# Allegro board PCIE_FIBER_BOARD-1116.brd (continued)
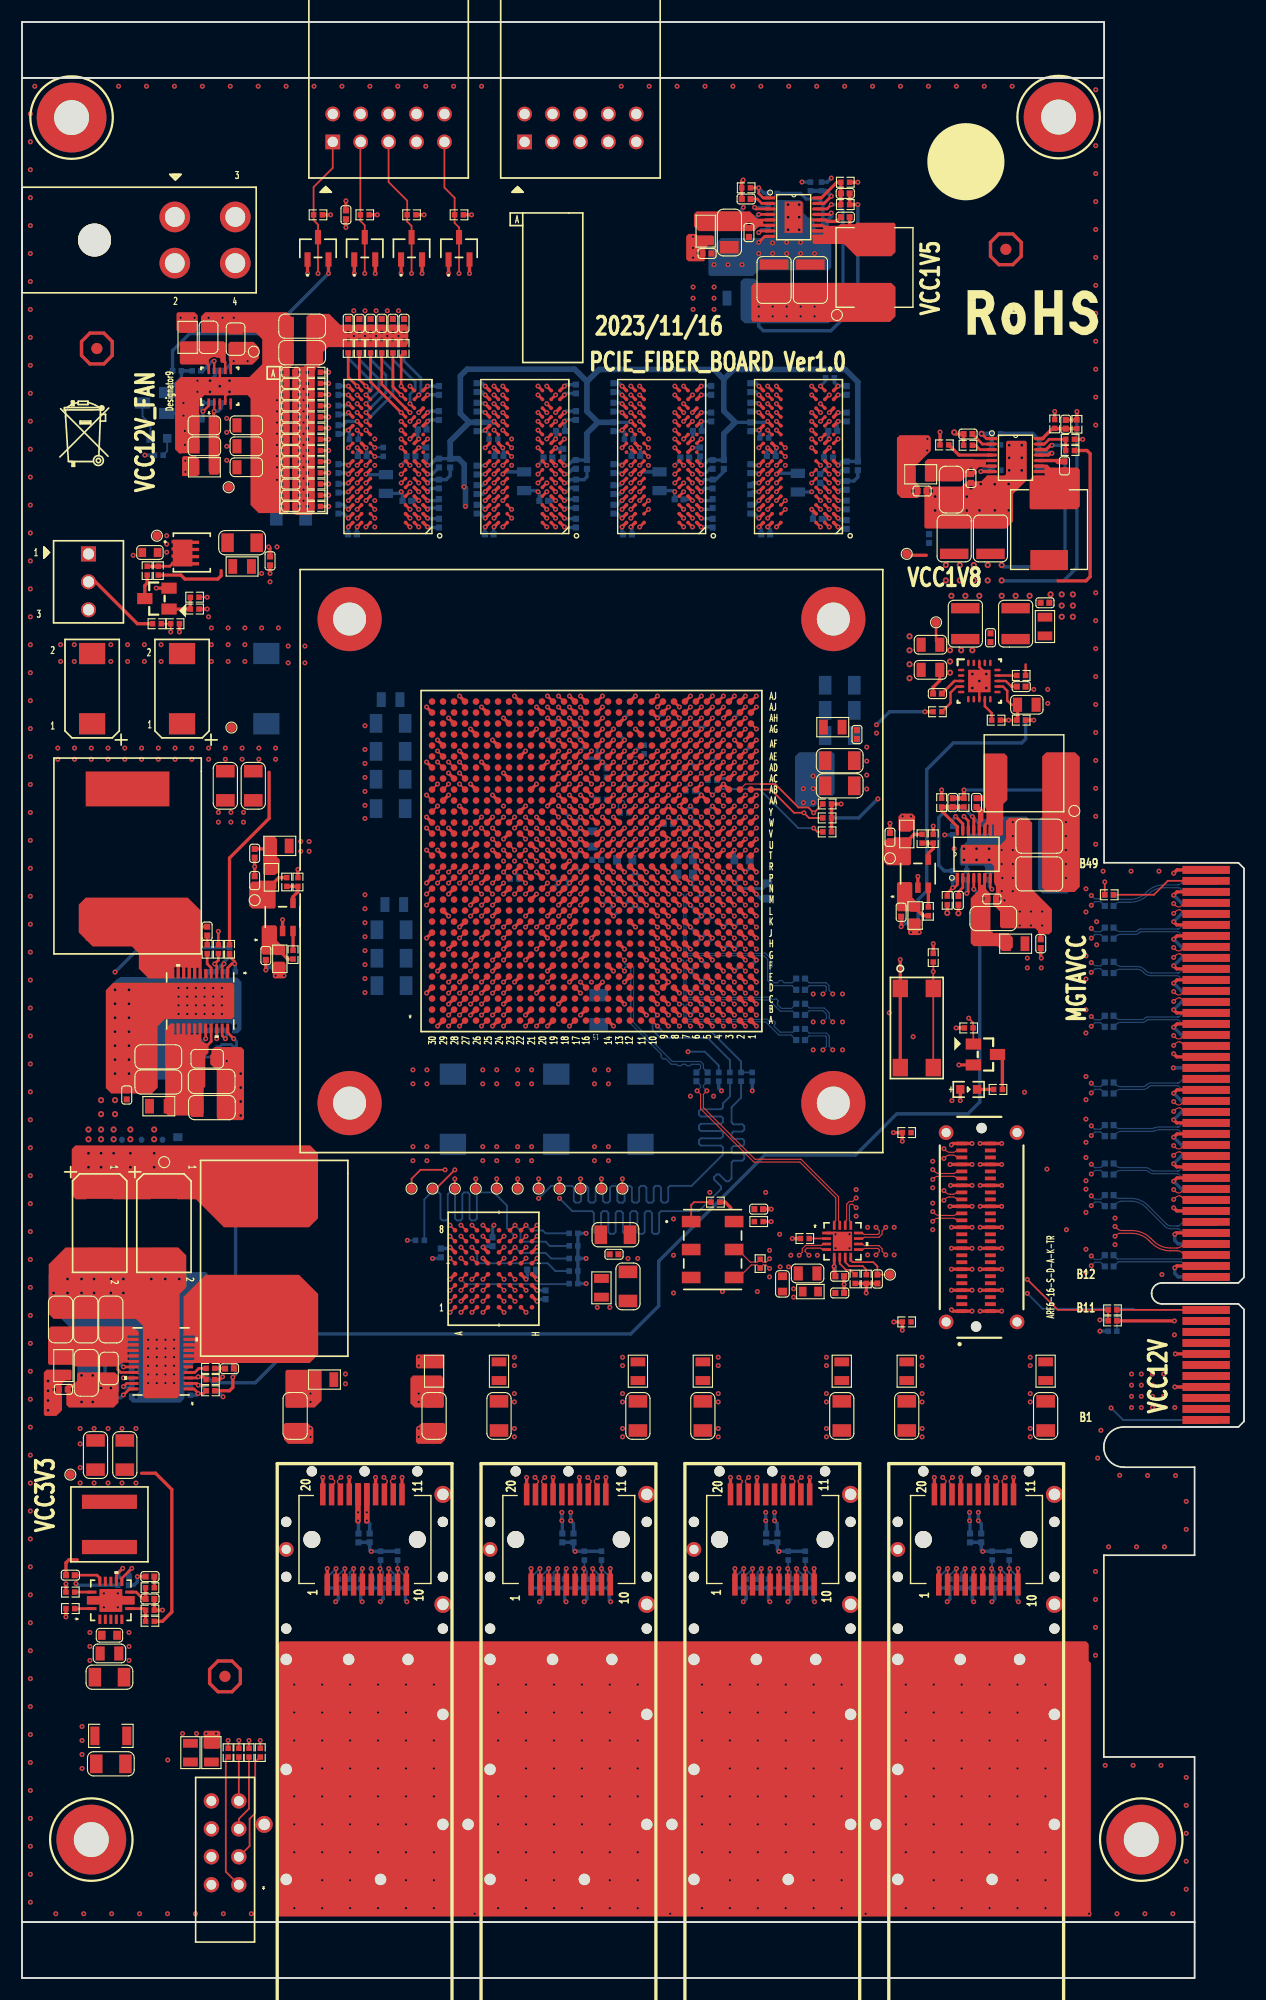
[diagram p0: board, top side]
## Routing (per net, layer and track width the routed paths; a pad name or vN(x,y) marks a point on that pad's centre or on a via; arc(x,y) is an arc through that point) (continued)
DDR3_A_BA1: length 112.2
  TOP w0.254: U75.N8 v1(55.38,142.3) ; U247.AC11 v1(56.8,109.53) ; U76.N8 v1(67.83,142.3) ; U78.N8 v1(42.93,142.3) ; R477.2 v1(27.89,143.93) ; U77.N8 v1(30.49,142.3)
  ART05 w0.102: v1(27.89,143.93) 29.12,142.7 30.09,142.7 v1(30.49,142.3)
  ART08 w0.102: v1(56.8,109.53) 56.8,109.84 57.26,110.3 57.26,110.58 57.81,111.13 60.07,111.13 60.33,111.39 60.33,116.98 60.38,117.03 ; 68.86,141.9 68.4,141.9 68,142.3 v1(67.83,142.3)
  ART08 w0.183: 60.38,117.03 60.38,117.38 60.56,117.56 61.64,117.56 61.82,117.74 61.82,118.11 61.64,118.29 59.9,118.29 59.72,118.48 59.72,118.86 59.9,119.05 61.59,119.05 61.78,119.23 61.78,119.59 61.59,119.78 59.9,119.78 59.72,119.96 59.72,120.33 59.9,120.51 61.59,120.51 61.78,120.69 61.78,121.05 61.59,121.24 59.9,121.24 59.72,121.42 59.72,121.79 59.9,121.97 61.59,121.97 61.78,122.16 61.78,122.52 61.59,122.7 59.9,122.7 59.72,122.89 59.72,123.25 59.9,123.44 61.59,123.44 61.78,123.62 61.78,123.98 61.59,124.16 59.91,124.16 59.73,124.35 59.73,124.71 59.91,124.89 61.59,124.89 61.78,125.08 61.78,125.44 61.59,125.63 60,125.63 59.82,125.81 59.82,126.25 60.1,126.53 62.7,126.53 63.49,127.32 66.05,127.32 70.9,132.17 70.9,140.88 69.88,141.9 68.86,141.9
  ART10 w0.102: v1(67.83,142.3) 67.43,141.9 U75.N8 v1(55.38,142.3) 54.98,141.9 U78.N8 v1(42.93,142.3) 42.53,141.9 U77.N8 v1(30.49,142.3)
DDR3_A_BA2: length 117.2
  TOP w0.254: U77.M3 v1(34.49,141.5) ; U247.AD9 v1(58.8,110.53) ; U75.M3 v1(59.38,141.5) ; R478.2 v1(27.89,142.91) ; U78.M3 v1(46.93,141.5) ; U76.M3 v1(71.83,141.5)
  ART05 w0.102: v1(27.89,142.91) 28.91,141.9 34.09,141.9 v1(34.49,141.5) 34.89,141.9 46.53,141.9 v1(46.93,141.5) 47.33,141.9 58.98,141.9 v1(59.38,141.5) 59.78,141.9 71.43,141.9 v1(71.83,141.5) 72.48,140.84 74.57,140.84 74.6,140.88 75.19,140.88 75.55,140.53
  ART05 w0.183: 75.55,140.53 76.83,139.24 76.83,131.07 74.36,128.59 71.13,128.59 70.59,128.05 66.66,128.05 65.81,127.21 65.81,124.73 65.57,124.49 64.75,124.49 64.57,124.31 64.57,123.94 64.75,123.76 65.63,123.76 65.81,123.57 65.81,123.21 65.63,123.03 63.79,123.03 63.61,122.84 63.61,122.48 63.79,122.29 65.63,122.29 65.81,122.11 65.81,121.75 65.63,121.56 61.96,121.56 61.78,121.38 61.78,121.01 61.96,120.83 64.54,120.83 64.72,120.65 64.72,120.28 64.54,120.1 61.83,120.1 61.65,119.92 61.65,119.55 61.83,119.37 63.37,119.37 63.55,119.19 63.55,118.82 63.37,118.64 61.83,118.64 61.65,118.45 61.65,117.44 61.24,117.03 59.59,117.03 59.28,116.72 59.28,115.21 59.46,115.03 61.14,115.03 61.32,114.85 61.32,114.24 61.14,114.06 59.59,114.06 59.34,113.81 59.34,111.07 v1(58.8,110.53)
DDR3_A_CAS_B: length 119.2
  TOP w0.254: U76.K3 v1(71.83,139.9) ; R481.2 v1(27.89,136.82) ; U77.K3 v1(34.49,139.9) ; U78.K3 v1(46.93,139.9) ; U247.AG9 v1(57.8,113.53) ; U75.K3 v1(59.38,139.9)
  ART05 w0.102: v1(57.8,113.53) 58.2,113.93 58.2,115.81 57.94,116.07 57.43,116.07 57.28,116.22 57.28,116.3 56.75,116.83 ; v1(27.89,136.82) 28.66,137.58 28.66,139.36 29.59,140.3 34.09,140.3 v1(34.49,139.9) 34.89,140.3 46.53,140.3 v1(46.93,139.9) 47.33,140.3 58.98,140.3 v1(59.38,139.9) 59.78,140.3 71.43,140.3 v1(71.83,139.9) U76.K3 73.63,139.5 73.96,139.17
  ART05 w0.183: 56.75,116.83 53.73,119.86 53.73,122.67 53.91,122.86 54.94,122.86 55.12,123.04 55.12,123.41 54.94,123.59 53.91,123.59 53.73,123.77 53.73,124.14 53.91,124.32 55.82,124.32 56.01,124.5 56.01,124.87 55.82,125.05 53.91,125.05 53.73,125.24 53.73,125.6 53.91,125.78 56.58,125.78 56.76,125.97 56.76,126.33 56.58,126.52 53.91,126.52 53.73,126.7 53.73,127.06 53.91,127.25 56.58,127.25 56.76,127.43 56.76,127.8 56.58,127.98 53.91,127.98 53.73,128.16 53.73,128.52 53.92,128.72 56.01,128.72 56.34,129.05 56.34,129.4 56.95,130.01 69.78,130.01 70.4,130.62 73.6,130.62 74.88,131.9 74.88,138.24 73.96,139.17
DDR3_A_CKE: length 111.5
  TOP w0.254: R483.2 v1(27.89,137.83) ; U75.K9 v1(54.58,139.1) ; U77.K9 v1(29.69,139.1) ; U247.AE10 v1(57.8,111.53) ; U78.K9 v1(42.13,139.1) ; U76.K9 v1(67.03,139.1)
  ART08 w0.102: v1(67.03,139.1) 66.63,139.5 U75.K9 v1(54.58,139.1) 54.18,139.5 U78.K9 v1(42.13,139.1) 41.73,139.5 U77.K9 v1(29.69,139.1)
  ART08 w0.183: v1(67.03,139.1) 66.57,138.64 66.57,131.85 65.72,131.01 53.66,131.01 53.29,130.64 53.29,129.6 53.48,129.41 56.36,129.41 56.55,129.23 56.55,128.87 56.36,128.68 53.5,128.68 53.32,128.5 53.32,128.13 53.5,127.95 56.36,127.95 56.55,127.77 56.55,127.4 56.36,127.22 53.45,127.22 53.27,127.04 53.27,126.67 53.45,126.49 56.36,126.49 56.55,126.31 56.55,125.94 56.36,125.76 53.5,125.76 53.32,125.57 53.32,125.21 53.5,125.03 55.72,125.03 55.9,124.84 55.9,124.48 55.72,124.29 54.55,124.29 54.36,124.11 54.36,120.59 54.55,120.41 56.36,120.41 56.55,120.23 56.55,119.86 56.36,119.68 55.25,119.68 55.07,119.49 55.07,119.09 55.33,118.83 56.27,118.83 56.55,118.55 56.55,112.78 v1(57.8,111.53) ; v1(27.89,137.83) 28.42,137.83 v1(29.69,139.1)
DDR3_A_CLK0_N: length 110.2
  TOP w0.188: v1(56.98,139.1) 56.98,139.1 U75.K7 ; v1(44.53,139.1) 44.13,139.49 U78.K7 ; v1(69.43,139.1) 69.42,139.1 69.03,139.5 U76.K7 ; U77.K7 v1(32.09,139.1) ; U247.AD11 v1(56.8,110.53)
  ART05 w0.102: v1(56.8,110.53) 56.5,110.53 56.4,110.63 56.4,112.36 54.4,114.36 54.4,116.96 54.45,117 54.45,117.03
  ART05 w0.157: v1(32.09,139.1) 32.31,138.88 33.03,138.88 33.22,138.88 33.5,138.6 43.84,138.6 44.06,138.81 44.24,138.81 v1(44.53,139.1) 44.75,138.88 44.81,138.88 45.63,138.88 46.2,138.88 46.53,138.55 56.24,138.55 56.47,138.78 56.66,138.78 v1(56.98,139.1) 57.17,138.9 57.29,138.9 57.78,138.9 58.21,138.47 68.61,138.47 68.97,138.84 69.17,138.84 v1(69.43,139.1) 69.68,138.85 70,138.85 70.12,138.85 70.54,138.43 70.54,132.66 69.04,131.17 50.95,131.17 50.24,130.45 50.24,129.74 49.91,129.41 47.06,129.41 46.91,129.25 46.91,128.71 47.07,128.55 49.91,128.55 50.24,128.22 50.24,127.43 49.91,127.1 46.93,127.1 46.77,126.94 46.77,126.4 46.93,126.24 49.88,126.24 50.21,125.91 50.21,125.13 49.88,124.8 48.03,124.8 47.87,124.64 47.87,124.05 48.03,123.89 49.92,123.89 50.25,123.56 50.25,123.13 52.47,120.91 52.47,119.38 54.45,117.4 54.45,117.03
  BOTTOM w0.188: R488.2 32.11,139.12 v1(32.09,139.1)
DDR3_A_CLK0_P: length 110.2
  TOP w0.188: U247.AD12 v1(55.8,110.53) ; U78.J7 v1(44.53,138.3) ; U77.J7 v1(32.09,138.3) ; U76.J7 v1(69.43,138.3) ; U75.J7 v1(56.98,138.3)
  ART05 w0.102: v1(55.8,110.53) 56.1,110.53 56.2,110.63 56.2,112.28 54.2,114.28 54.2,116.96 54.15,117 54.15,117.03
  ART05 w0.157: v1(32.09,138.3) 32.37,138.58 33.03,138.58 33.1,138.58 33.38,138.3 43.97,138.3 44.14,138.47 44.36,138.47 v1(44.53,138.3) 44.81,138.58 45.63,138.58 46.08,138.58 46.41,138.25 56.36,138.25 56.59,138.48 56.8,138.48 v1(56.98,138.3) 57.29,138.61 57.66,138.61 58.09,138.18 68.73,138.18 69.04,138.48 69.24,138.48 v1(69.43,138.3) 69.68,138.55 ; 69.68,138.55 69.68,138.55 69.68,138.55 ; 69.68,138.55 70,138.55 70.24,138.31 70.24,137.29 70.08,137.13 70.08,136.66 70.24,136.5 70.24,136.03 70.08,135.87 70.08,135.4 70.24,135.24 70.24,132.79 68.91,131.46 66.13,131.46 65.97,131.62 65.5,131.62 65.34,131.46 64.87,131.46 64.71,131.62 64.24,131.62 64.08,131.46 50.83,131.46 49.94,130.58 49.94,129.87 49.79,129.71 46.94,129.71 46.61,129.38 46.61,128.59 46.94,128.25 49.79,128.25 49.94,128.09 49.94,127.56 49.79,127.4 46.8,127.4 46.47,127.07 46.47,126.27 46.8,125.94 49.75,125.94 49.91,125.78 49.91,125.25 49.75,125.09 47.9,125.09 47.57,124.76 47.57,123.93 47.9,123.6 49.8,123.6 49.95,123.44 49.95,123.01 52.17,120.79 52.17,119.25 54,117.42 54.15,117.27 54.15,117.03
  BOTTOM w0.188: v1(32.09,138.3) 32.12,138.26 32.79,138.26 R488.1
DDR3_A_D0: length 31.6
  TOP w0.254: U75.E3 v1(60.18,135.9) ; U247.AK6 v1(61.8,116.53)
  ART10 w0.102: v1(60.18,135.9) 60.58,135.5 60.58,134.86 60.75,134.7 62.02,134.7 62.11,134.61
  ART10 w0.183: 62.11,134.61 62.22,134.49 62.22,130.96 62.4,130.77 62.77,130.77 62.95,130.96 62.95,133.79 63.16,134 63.5,134 63.68,133.82 63.68,129.47 65.06,128.1 65.06,123.98 64.29,123.2 64.29,121.78 63.81,121.3 63.81,118.93 62.16,117.28 62.16,117.27 61.8,116.91 v1(61.8,116.53)
DDR3_A_D1: length 31.4
  TOP w0.254: U75.F7 v1(56.18,135.9) ; U247.AG7 v1(60.8,113.53)
  ART10 w0.102: v1(60.8,113.53) 60.4,113.93 60.4,116.69 60.67,116.97 60.67,117.87 61.15,118.35 61.15,118.79 61.19,118.84 61.19,118.86
  ART10 w0.183: v1(56.18,135.9) 56.67,135.9 56.9,136.13 56.9,136.69 57.65,137.44 57.95,137.44 58.19,137.2 58.19,136.94 57.64,136.39 57.64,135.07 58.7,134 58.7,131.39 60.54,129.56 61.26,129.56 62.13,128.69 62.13,119.8 61.19,118.86
DDR3_A_D2: length 31.4
  TOP w0.254: U247.AJ6 v1(61.8,115.53) ; U75.F2 v1(60.98,135.9)
  ART10 w0.102: 62.03,135.5 61.38,135.5 v1(60.98,135.9)
  ART10 w0.183: v1(61.8,115.53) 62.34,116.07 62.34,116.76 64.18,118.61 65.33,118.61 65.54,118.81 65.54,119.12 65.33,119.33 64.48,119.33 64.3,119.52 64.3,119.88 64.48,120.06 65.37,120.06 65.55,120.25 65.55,120.61 65.37,120.8 64.73,120.8 64.54,120.98 64.54,121.34 64.73,121.53 65.37,121.53 65.55,121.71 65.55,122.08 65.37,122.26 64.96,122.26 64.78,122.44 64.78,122.81 64.96,122.99 65.37,122.99 65.55,123.17 65.55,128.3 64.17,129.68 64.17,134.3 62.97,135.5 62.03,135.5
DDR3_A_D3: length 31.4
  TOP w0.254: U75.F8 v1(55.38,135.9) ; U247.AK8 v1(59.8,115.53)
  ART10 w0.102: 55.82,134.04 55.78,134.08 55.78,135.5 v1(55.38,135.9) ; 60.22,119.11 60.22,118.65 59.86,118.29 59.86,115.59 v1(59.8,115.53)
  ART10 w0.183: 55.82,134.04 55.82,132.89 56.31,132.41 56.59,132.41 57.18,133 57.44,133 57.7,132.74 57.7,132.48 57.11,131.89 57.11,131.61 59.14,129.58 59.14,128.01 60.22,126.93 60.22,125.69 60.4,125.51 60.88,125.51 61.07,125.32 61.07,124.96 60.88,124.77 60.4,124.77 60.22,124.59 60.22,124.23 60.4,124.04 60.97,124.04 61.16,123.86 61.16,123.49 60.97,123.31 60.4,123.31 60.22,123.13 60.22,122.76 60.4,122.58 60.97,122.58 61.16,122.4 61.16,122.03 60.97,121.85 60.4,121.85 60.22,121.67 60.22,121.3 60.4,121.12 60.97,121.12 61.16,120.93 61.16,120.57 60.97,120.39 60.4,120.39 60.22,120.2 60.22,119.11
DDR3_A_D4: length 31.2
  TOP w0.254: U75.H3 v1(60.18,137.5) ; U247.AK4 v1(63.8,116.53)
  ART10 w0.183: v1(63.8,116.53) 63.8,116.85 64.58,117.63 65.73,117.63 66.53,118.43 66.53,128.7 65.15,130.08 65.15,137.4 64.31,138.25 64.31,138.72 64.12,138.9 63.76,138.9 63.58,138.72 63.58,138.25 63.39,138.06 60.74,138.06 v1(60.18,137.5)
DDR3_A_D5: length 31.5
  TOP w0.254: U75.H8 v1(55.38,137.5) ; U247.AJ8 v1(59.8,114.53)
  ART10 w0.102: v1(59.8,114.53) 59.4,114.93 59.4,116.71 59.45,116.76 59.45,118.49 59.73,118.77 59.73,119.24 ; 54.98,131.71 54.98,137.23 55.25,137.5 v1(55.38,137.5)
  ART10 w0.183: 59.73,119.24 59.73,126.73 58.13,128.33 58.13,128.59 58.65,129.11 58.65,129.37 58.39,129.63 58.13,129.63 57.61,129.11 57.35,129.11 57.09,129.37 57.09,129.62 57.62,130.15 57.62,130.41 57.36,130.67 57.1,130.67 56.57,130.14 56.32,130.14 56.06,130.4 56.06,130.66 56.35,130.95 56.35,131.21 56.09,131.47 55.83,131.47 55.54,131.18 55.28,131.18 54.98,131.48 54.98,131.71
DDR3_A_D6: length 31.5
  TOP w0.254: U75.G2 v1(60.98,136.7) ; U247.AK5 v1(62.8,116.53)
  ART10 w0.102: 62.03,136.3 61.38,136.3 v1(60.98,136.7)
  ART10 w0.183: v1(62.8,116.53) 62.8,116.54 64.38,118.12 65.53,118.12 66.04,118.63 66.04,128.5 64.66,129.88 64.66,136.97 64.48,137.15 64.11,137.15 63.93,136.97 63.93,136.19 63.75,136.01 63.38,136.01 63.17,136.21 63.17,137.35 62.99,137.53 62.62,137.53 62.44,137.35 62.44,136.47 62.27,136.3 62.03,136.3
DDR3_A_D7: length 31.5
  TOP w0.254: U75.H7 v1(56.18,137.5) ; U247.AF8 v1(59.8,112.53)
  ART10 w0.102: v1(59.8,112.53) 59.2,113.13 59.2,115.75 58.99,115.96 58.99,116.86 59.05,116.92 59.05,118.82 59.24,119.02 59.24,119.44
  ART10 w0.183: 59.24,119.44 59.24,126.4 54.14,131.5 54.14,137.79 54.44,138.09 55.6,138.09 v1(56.18,137.5)
DDR3_A_D8: length 27.8
  TOP w0.254: U75.D7 v1(56.18,134.3) ; U247.AJ3 v1(63.8,114.53)
  ART03 w0.102: 55.78,131.56 55.78,133.9 v1(56.18,134.3) ; v1(63.8,114.53) 63.33,115 63.33,115.91 63.2,116.04 63.2,116.71 62.91,117
  ART03 w0.183: 62.91,117 61.13,118.78 60.88,118.78 60.58,118.48 60.32,118.48 60.06,118.74 60.06,119 60.36,119.29 60.36,119.55 60.06,119.85 60.06,126.2 57.61,128.64 57.61,128.9 57.78,129.07 57.78,129.33 57.52,129.59 57.27,129.59 57.1,129.42 56.84,129.42 56.58,129.68 56.58,129.94 56.89,130.24 56.89,130.5 56.63,130.76 56.37,130.76 56.06,130.46 55.8,130.46 55.53,130.73 55.53,131.03 55.78,131.28 55.78,131.56
DDR3_A_D9: length 27.8
  TOP w0.254: U247.AH2 v1(65.8,114.53) ; U75.C3 v1(60.18,133.5)
  ART03 w0.102: 65.71,117.18 65.37,116.84 65.37,114.96 v1(65.8,114.53)
  ART03 w0.183: v1(60.18,133.5) 59.71,133.03 59.44,133.03 58.91,133.56 58.65,133.56 58.41,133.33 58.41,132.98 61.33,130.06 61.59,130.06 61.92,130.39 62.18,130.39 62.44,130.14 62.44,129.88 62.11,129.54 62.11,129.28 62.87,128.52 62.87,124.64 63.06,124.45 63.35,124.45 63.56,124.24 63.56,123.93 63.35,123.72 63.06,123.72 62.87,123.54 62.87,123.1 65.71,120.27 65.71,117.18
DDR3_A_D10: length 27.8
  TOP w0.254: U247.AH6 v1(61.8,114.53) ; U75.C8 v1(55.38,133.5)
  ART03 w0.102: 60.43,116.04 61.09,116.04 61.35,115.79 61.35,114.98 v1(61.8,114.53) ; 54.23,133.1 54.98,133.1 v1(55.38,133.5)
  ART03 w0.183: 60.43,116.04 59.42,116.04 59.08,116.37 59.08,125.79 53.14,131.74 53.14,133.56 53.38,133.8 53.7,133.8 53.9,133.59 53.9,133.28 54.08,133.1 54.23,133.1
DDR3_A_D11: length 27.8
  TOP w0.254: U75.C2 v1(60.98,133.5) ; U247.AJ1 v1(66.8,115.53)
  ART03 w0.102: v1(60.98,133.5) 61.38,133.1 62.09,133.1 ; 67.29,117.03 67.29,116.32 66.8,115.83 v1(66.8,115.53)
  ART03 w0.183: 62.09,133.1 62.41,133.1 62.59,133.28 62.59,134.38 62.78,134.56 64.21,134.56 64.39,134.38 64.39,134.01 64.21,133.83 63.51,133.83 63.33,133.64 63.33,133.28 63.51,133.1 63.7,133.1 65.12,131.68 65.12,129.52 65.59,129.06 65.59,124.96 67.29,123.26 67.29,117.03
DDR3_A_D12: length 27.9
  TOP w0.254: U75.A7 v1(56.18,131.9) ; U247.AJ4 v1(63.8,115.53)
  ART03 w0.102: 63.4,117.03 63.4,116.35 63.8,115.95 v1(63.8,115.53)
  ART03 w0.183: 63.4,117.03 63.4,117.32 62.84,117.88 62.84,118.15 63.43,118.74 63.43,119.14 63.16,119.41 62.9,119.41 62.17,118.68 61.92,118.68 61.66,118.94 61.66,119.2 62.51,120.05 62.51,120.31 62.25,120.57 61.99,120.57 61.14,119.72 60.88,119.72 60.62,119.98 60.62,120.24 61.32,120.93 61.32,121.52 60.55,122.29 60.55,126.4 59.5,127.45 59.5,127.73 59.76,127.99 59.76,128.32 59.5,128.58 59.25,128.58 58.94,128.27 58.68,128.27 58.42,128.53 58.42,128.79 58.73,129.09 58.73,129.35 58.36,129.72 58.09,129.72 57.7,130.1 57.7,130.38 v1(56.18,131.9)
DDR3_A_D13: length 27.8
  TOP w0.254: U247.AK1 v1(66.8,116.53) ; U75.A2 v1(60.98,131.9)
  ART03 w0.102: v1(66.8,116.53) 66.8,117.03 ; v1(60.98,131.9) 60.98,132.01 61.27,132.3 62,132.3
  ART03 w0.183: 66.8,117.03 66.8,121.91 66.62,122.1 65.28,122.1 65.1,122.28 65.1,122.65 65.28,122.83 66.29,122.83 66.48,123.01 66.48,123.38 66.29,123.56 65.28,123.56 65.1,123.74 65.1,128.86 63.87,130.09 63.87,130.35 64.63,131.11 64.63,131.37 64.37,131.63 64.12,131.63 63.35,130.86 63.09,130.86 62.84,131.12 62.84,131.38 63.55,132.1 63.55,132.35 63.29,132.61 63.03,132.61 62.49,132.07 62.23,132.07 62,132.3
DDR3_A_D14: length 27.8
  TOP w0.254: U247.AH5 v1(62.8,114.53) ; U75.B8 v1(55.38,132.7)
  ART03 w0.102: v1(55.38,132.7) 54.98,132.3 54.34,132.3 ; v1(62.8,114.53) 62.36,114.97 62.36,116.86 62.27,116.95
  ART03 w0.183: 54.34,132.3 53.89,132.3 53.71,132.12 53.71,131.86 59.57,126 59.57,116.93 59.76,116.75 60.34,116.75 60.52,116.93 60.52,117.76 60.7,117.95 61.07,117.95 61.25,117.76 61.25,117.39 61.43,117.21 62.01,117.21 62.27,116.95
DDR3_A_D15: length 27.8
  TOP w0.254: U247.AJ2 v1(65.8,115.53) ; U75.A3 v1(60.18,131.9)
  ART03 w0.102: 66.2,117.03 66.2,115.93 v1(65.8,115.53)
  ART03 w0.183: v1(60.18,131.9) 61.12,130.96 62.3,130.96 63.26,130 63.26,129.74 62.93,129.41 62.93,129.15 63.19,128.89 63.45,128.89 63.78,129.22 64.04,129.22 64.61,128.65 64.61,128.34 64.43,128.16 63.55,128.16 63.36,127.98 63.36,127.61 63.55,127.43 64.06,127.43 64.24,127.24 64.24,126.88 64.06,126.7 63.55,126.7 63.36,126.51 63.36,126.15 63.55,125.96 64.43,125.96 64.61,125.78 64.61,125.42 64.43,125.23 63.99,125.23 63.81,125.05 63.81,124.68 63.99,124.5 64.43,124.5 64.61,124.32 64.61,123.95 64.43,123.77 64.09,123.77 63.9,123.59 63.9,123.22 64.09,123.04 64.43,123.04 64.61,122.86 64.61,122.05 66.2,120.47 66.2,117.03
DDR3_A_D16: length 45.7
  TOP w0.254: U76.E3 v1(72.63,135.1) ; U247.AE4 v1(63.8,111.53)
  ART10 w0.102: 67.3,110.21 67.05,110.21 66.97,110.13 64.46,110.13 64.27,110.33 64.27,110.66 63.8,111.12 v1(63.8,111.53) ; 73.83,131.68 73.83,134.51 73.64,134.7 73.03,134.7 v1(72.63,135.1)
  ART10 w0.183: 73.83,131.68 73.83,131.21 74.01,131.03 74.48,131.03 74.67,131.21 74.67,133.51 74.85,133.69 75.22,133.69 75.4,133.51 75.4,130.3 76.29,129.4 76.29,122.07 74.63,120.41 74.63,120.02 74.81,119.84 75.34,119.84 75.52,119.66 75.52,119.29 75.34,119.11 74.81,119.11 74.63,118.93 74.63,118.56 74.81,118.38 75.39,118.38 75.57,118.19 75.57,117.83 75.39,117.65 74.81,117.65 74.63,117.46 74.63,116.27 68.57,110.21 67.3,110.21
DDR3_A_D17: length 45.8
  TOP w0.254: U76.F7 v1(68.63,135.9) ; U247.AE3 v1(64.8,111.53)
  ART10 w0.102: 68.36,133.8 68.36,133.97 68.23,134.1 68.23,135.5 v1(68.63,135.9) ; v1(64.8,111.53) 64.8,111.87 65.06,112.13 67.45,112.13 67.75,112.43
  ART10 w0.183: 67.75,112.43 69.31,113.99 69.31,114.24 69.13,114.42 69.13,114.68 69.39,114.94 69.65,114.94 69.82,114.76 70.08,114.76 70.34,115.02 70.34,115.28 69.71,115.91 69.71,116.17 69.97,116.43 70.23,116.43 70.86,115.8 71.12,115.8 72.29,116.97 72.29,118.94 69.62,121.6 69.62,126 69.8,126.18 70.62,126.18 70.8,126.37 70.8,126.73 70.62,126.92 69.8,126.92 69.62,127.1 69.62,127.46 69.8,127.65 71.51,127.65 71.7,127.83 71.7,128.2 71.51,128.38 69.8,128.38 69.62,128.56 69.62,128.93 69.8,129.11 70.63,129.11 70.81,129.29 70.81,129.66 70.63,129.84 69.8,129.84 69.62,130.02 69.62,130.39 69.8,130.57 70.62,130.57 70.8,130.76 70.8,131.12 70.62,131.31 69.8,131.31 69.62,131.49 69.62,132.53 69.42,132.73 69.16,132.73 68.78,132.35 68.53,132.35 68.27,132.61 68.27,132.87 68.65,133.25 68.65,133.51 68.36,133.8
DDR3_A_D18: length 45.7
  TOP w0.254: U76.F2 v1(73.43,135.9) ; U247.AF5 v1(62.8,112.53)
  ART10 w0.102: 67.57,109.72 67.26,109.72 67.05,109.93 63.84,109.93 63.4,110.36 63.4,112.28 63.15,112.53 v1(62.8,112.53) ; 74.71,135.37 74.58,135.5 73.56,135.5 73.43,135.63 v1(73.43,135.9)
  ART10 w0.183: 67.57,109.72 68.77,109.72 76.78,117.73 76.78,118.12 76.6,118.3 76.15,118.3 75.96,118.48 75.96,118.85 76.15,119.03 76.6,119.03 76.78,119.22 76.78,119.58 76.6,119.76 76.09,119.76 75.91,119.95 75.91,120.31 76.09,120.5 76.6,120.5 76.78,120.68 76.78,129.89 76.36,130.32 76.07,130.32 75.89,130.5 75.89,130.87 76.07,131.05 76.35,131.05 76.53,131.23 76.53,131.6 76.35,131.78 76.07,131.78 75.89,131.96 75.89,132.33 76.07,132.51 76.35,132.51 76.53,132.69 76.53,133.55 75.67,134.4 74.99,134.4 74.77,134.62 74.77,135.3 74.71,135.37
DDR3_A_D19: length 45.8
  TOP w0.254: U76.F8 v1(67.83,135.9) ; U247.AF1 v1(66.8,112.53)
  ART10 w0.102: 67.43,131.7 67.43,135.74 67.59,135.9 v1(67.83,135.9)
  ART10 w0.183: 67.43,131.7 67.43,131.68 67.59,131.51 67.59,131.25 67.13,130.79 67.13,130.46 67.32,130.27 67.65,130.27 68.69,131.31 69.02,131.31 69.22,131.1 69.22,130.77 68.23,129.78 68.23,129.53 69.13,128.62 69.13,120.76 69.32,120.57 69.96,120.57 70.14,120.39 70.14,120.03 69.96,119.84 69.32,119.84 69.13,119.66 69.13,119.29 69.32,119.11 71.42,119.11 71.61,118.93 71.61,118.56 71.42,118.38 69.32,118.38 69.13,118.2 69.13,117.83 69.32,117.65 71.55,117.65 71.73,117.47 71.73,117.1 71.55,116.92 69.32,116.92 69.13,116.73 69.13,115.37 68.73,114.97 68.25,114.97 68.07,115.15 67.44,115.15 67.26,114.97 66.46,114.97 66.24,114.74 66.24,114.35 66.42,114.17 68.07,114.17 68.25,113.99 68.25,113.62 68.07,113.44 67.42,113.44 67.24,113.26 67.24,112.71 67.05,112.53 v1(66.8,112.53)
DDR3_A_D20: length 45.9
  TOP w0.254: U76.H3 v1(72.63,137.5) ; U247.AF6 v1(61.8,112.53)
  ART10 w0.102: 74.72,136.17 74.58,136.3 72.94,136.3 72.63,136.61 v1(72.63,137.5) ; v1(61.8,112.53) 62.25,112.08 63.02,112.08 63.2,111.9 63.2,109.49 63.56,109.13 66.98,109.13 67.09,109.23 67.3,109.23
  ART10 w0.183: 67.3,109.23 68.97,109.23 77.27,117.53 77.27,133.61 74.72,136.17
DDR3_A_D21: length 45.8
  TOP w0.254: U76.H8 v1(67.83,137.5) ; U247.AF2 v1(64.8,112.53)
  ART10 w0.102: v1(64.8,112.53) 64.8,112.74 65.28,113.22 65.28,115.66 65.63,116 67.3,116
  ART10 w0.183: v1(67.83,137.5) 67.83,138.35 67.64,138.53 67.2,138.53 66.35,137.69 66.35,130.54 67.73,129.17 67.73,128.79 67.91,128.6 68.46,128.6 68.65,128.42 68.65,128.05 68.46,127.87 67.91,127.87 67.73,127.69 67.73,127.32 67.91,127.14 68.46,127.14 68.65,126.96 68.65,126.59 68.46,126.41 67.91,126.41 67.73,126.23 67.73,125.86 67.91,125.68 68.46,125.68 68.65,125.49 68.65,125.13 68.46,124.95 67.91,124.95 67.73,124.76 67.73,124.4 67.91,124.21 68.46,124.21 68.65,124.03 68.65,123.67 68.46,123.48 67.91,123.48 67.73,123.3 67.73,122.93 67.91,122.75 68.46,122.75 68.65,122.57 68.65,122.2 68.46,122.02 67.91,122.02 67.73,121.84 67.73,121.47 67.91,121.29 68.46,121.29 68.65,121.11 68.65,120.74 68.46,120.56 67.91,120.56 67.73,120.37 67.73,120.01 67.91,119.83 68.46,119.83 68.65,119.64 68.65,119.28 68.46,119.09 67.91,119.09 67.73,118.91 67.73,118.54 67.91,118.36 68.46,118.36 68.65,118.18 68.65,117.81 68.46,117.63 67.44,117.63 67.25,117.45 67.25,117.08 67.44,116.9 68.46,116.9 68.65,116.72 68.65,116.35 68.46,116.17 67.57,116.17 67.4,116 67.3,116
DDR3_A_D22: length 45.9
  TOP w0.254: U76.G2 v1(73.43,136.7) ; U247.AE5 v1(62.8,111.53)
  ART10 w0.102: v1(73.43,136.7) 73.83,137.1 74.47,137.1 74.58,137 ; v1(62.8,111.53) 62.4,111.13 62.4,109.36 62.84,108.93 66.98,108.93 67.17,108.75 67.34,108.75
  ART10 w0.183: 74.58,137 74.83,136.75 75.09,136.75 75.27,136.93 75.53,136.93 75.79,136.67 75.79,136.41 75.61,136.23 75.61,135.97 77.76,133.82 77.76,117.33 69.18,108.75 67.34,108.75
DDR3_A_D23: length 45.9
  TOP w0.254: U247.AG5 v1(62.8,113.53) ; U76.H7 v1(68.63,137.5)
  ART10 w0.102: 65.64,116.98 65.49,116.98 65.23,116.73 65.23,116.04 64.32,115.13 64.32,114.34 64.02,114.05 63,114.05 62.8,113.85 v1(62.8,113.53) ; v1(68.63,137.5) U76.H7 69.03,139.39
  ART10 w0.183: 65.64,116.98 66.1,116.98 67.24,118.12 67.24,128.97 65.84,130.37 65.84,137.81 65,138.65 65,139.48 64.67,139.82 63.61,139.82 63.38,140.04 63.38,140.37 63.58,140.58 65.03,140.58 65.76,139.85 65.76,138.88 65.94,138.7 66.3,138.7 66.49,138.88 66.49,140.08 66.67,140.26 67.14,140.26 67.32,140.08 67.32,139.74 67.5,139.56 67.87,139.56 68.05,139.74 68.05,140.08 68.23,140.26 69.27,140.26 69.4,140.13 69.4,139.76 69.03,139.39
DDR3_A_D24: length 41.3
  TOP w0.254: U247.AD4 v1(63.8,110.53) ; U76.D7 v1(68.63,134.3)
  ART03 w0.102: v1(68.63,134.3) 68.38,134.3 68.23,134.15 68.23,131.49 68.38,131.33 ; 67.67,112.54 67.51,112.38 67.31,112.38 67.06,112.13 64.35,112.13 64.22,112 64.22,110.81 63.94,110.53 v1(63.8,110.53)
  ART03 w0.183: 67.67,112.54 68.23,113.1 68.23,115.17 69.09,116.03 69.09,119.61 69.28,119.79 69.9,119.79 70.08,119.97 70.08,120.34 69.9,120.52 69.28,120.52 69.09,120.71 69.09,121.07 69.28,121.25 69.69,121.25 69.87,121.44 69.87,121.8 69.69,121.99 69.28,121.99 69.09,122.17 69.09,122.53 69.28,122.72 69.69,122.72 69.87,122.9 69.87,123.27 69.69,123.45 69.28,123.45 69.09,123.63 69.09,124.49 69.28,124.67 69.69,124.67 69.87,124.86 69.87,125.22 69.69,125.41 68.53,125.41 68.35,125.59 68.35,125.95 68.53,126.14 69.69,126.14 69.87,126.32 69.87,126.69 69.69,126.87 68.68,126.87 68.5,127.05 68.5,127.42 68.68,127.6 69.69,127.6 69.87,127.78 69.87,128.15 69.69,128.33 68.84,128.33 68.65,128.51 68.65,128.88 68.84,129.06 69.67,129.06 69.85,129.25 69.85,129.86 68.38,131.33
DDR3_A_D25: length 41.4
  TOP w0.254: U247.AC4 v1(63.8,109.53) ; U76.C3 v1(72.63,133.5)
  ART03 w0.102: 68.91,110.74 68.89,110.74 68.56,110.42 67.25,110.42 66.96,110.13 64.4,110.13 v1(63.8,109.53)
  ART03 w0.183: 68.91,110.74 74.1,115.93 74.1,119.95 76.38,122.23 76.38,124.84 75.19,126.03 75.19,127.37 74.38,128.18 72.98,128.18 72.98,128.18 72.61,128.18 72.43,128.36 72.43,130.15 72.16,130.42 72.16,132.54 70.57,134.13 70.57,135.35 70.74,135.52 71.12,135.52 71.33,135.32 71.33,134.62 72.45,133.5 v1(72.63,133.5)
DDR3_A_D26: length 41.3
  TOP w0.254: U247.AE6 v1(61.8,111.53) ; U76.C8 v1(67.83,133.5)
  ART03 w0.102: 67.3,113.5 67.3,113.31 67.12,113.13 62.47,113.13 62.2,112.86 62.2,111.93 v1(61.8,111.53) ; 66.72,133.1 67.43,133.1 v1(67.83,133.5)
  ART03 w0.183: 66.72,133.1 66.09,133.1 65.91,133.28 65.91,136.77 65.68,137 65.31,137 65.12,136.81 65.12,136.27 64.94,136.09 64.3,136.09 64.11,135.9 64.11,135.54 64.3,135.35 64.94,135.35 65.12,135.17 65.12,132.74 65.82,132.04 65.82,129.83 66.32,129.32 66.32,125.21 68.12,123.41 68.12,116.44 67.3,115.62 67.3,113.5
DDR3_A_D27: length 41.3
  TOP w0.254: U76.C2 v1(73.43,133.5) ; U247.AC7 v1(60.8,109.53)
  ART03 w0.102: v1(73.43,133.5) 73.67,133.26 74.04,133.1 74.55,133.1 ; v1(60.8,109.53) 61.13,109.2 61.79,108.93 66.08,108.93 66.29,108.71 69.61,108.71 70.03,109.13 70.06,109.13
  ART03 w0.183: 74.55,133.1 74.74,133.1 78.33,129.51 78.33,117.4 70.06,109.13
DDR3_A_D28: length 41.3
  TOP w0.254: U247.AD3 v1(64.8,110.53) ; U76.A7 v1(68.63,131.9)
  ART03 w0.102: v1(64.8,110.53) 65.36,111.09 65.36,111.8 65.49,111.93 67.75,111.93 67.98,112.15
  ART03 w0.183: v1(68.63,131.9) 70.36,130.16 70.36,127.39 70.74,127.01 70.74,126.58 70.36,126.2 70.36,121.3 70.55,121.11 71.27,121.11 71.45,120.93 71.45,120.56 71.27,120.38 70.75,120.38 70.57,120.2 70.57,119.83 70.75,119.65 72.08,119.65 72.27,119.47 72.27,119.1 72.08,118.92 69.77,118.92 69.58,118.74 69.58,118.37 69.77,118.19 72.08,118.19 72.27,118 72.27,117.64 72.08,117.46 69.77,117.46 69.58,117.27 69.58,116.91 69.77,116.72 71.55,116.72 71.73,116.54 71.73,116.18 71.55,115.99 69.74,115.99 68.72,114.97 68.72,112.9 67.98,112.15